# KiCad board Sandy_3in1.kicad_pcb (continued)
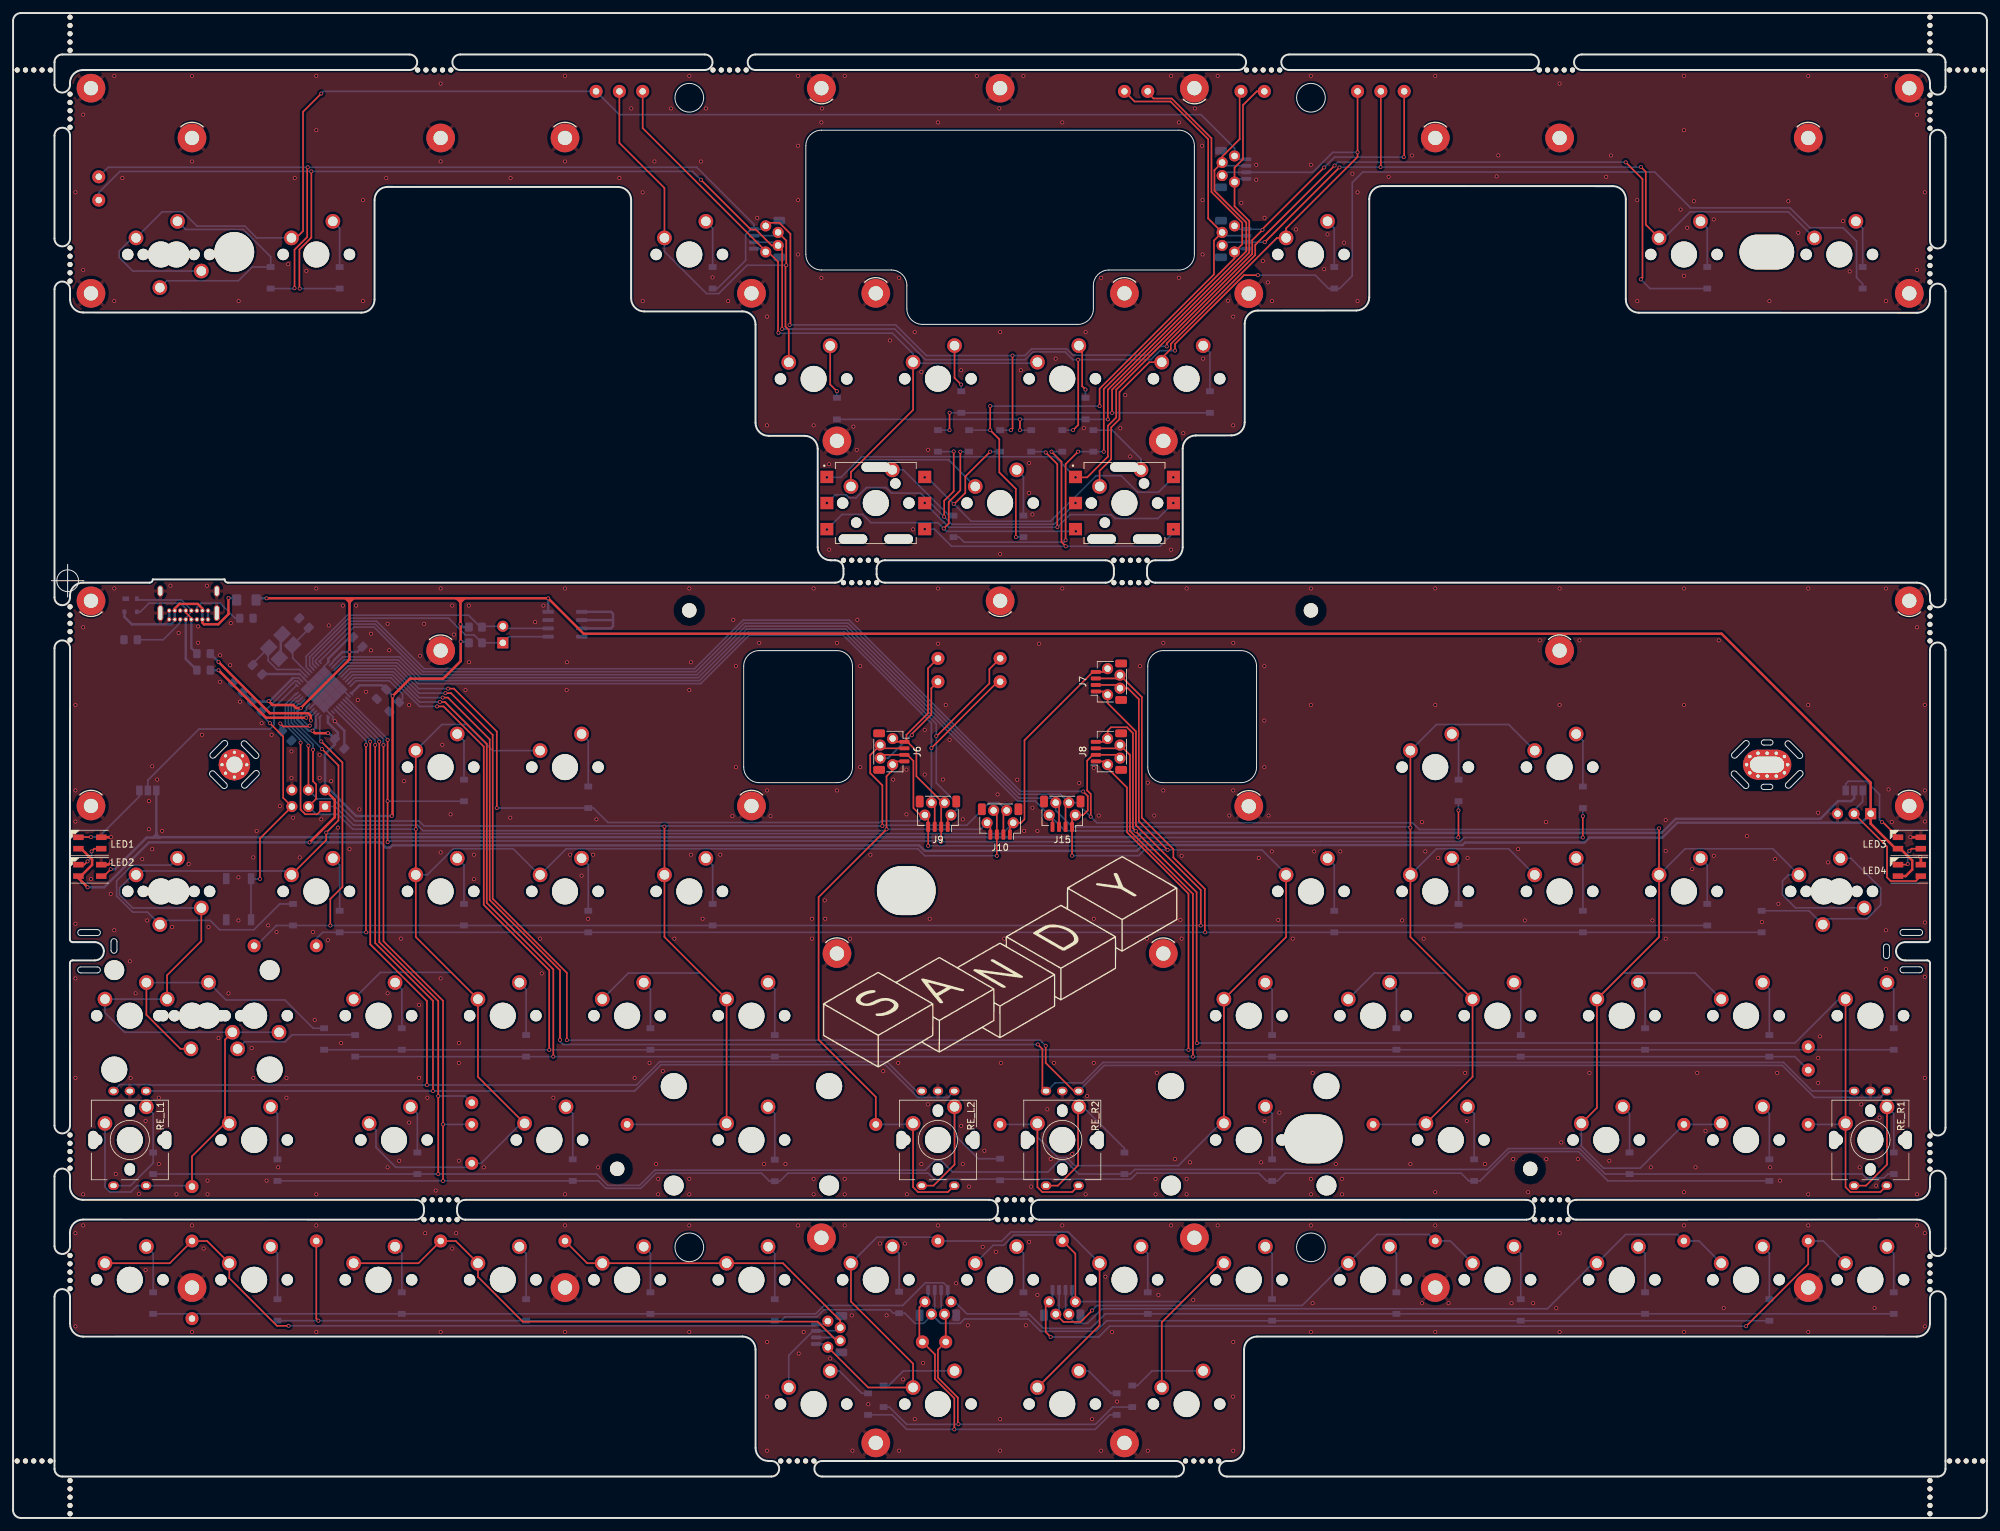
[diagram p0: board, top side]
## Routing (per net, layer and track width the routed paths; a pad name or vN(x,y) marks a point on that pad's centre or on a via; arc(x,y) is an arc through that point) (continued)
Mid_row1: length 348.9
  Top w0.254: v1(152.89,166.74) 153.14,166.99 v1(153.14,178.17) ; v1(45.15,207.03) 45.06,206.95 45.06,196.33 43.13,194.39 v1(43.13,188.5) ; v1(118.98,182.87) 119.11,183 119.11,196.83 117.42,198.53 115.8,198.53 J12.1 ; v1(247.09,207.79) 249.67,205.22 249.67,190.11 v1(249.41,189.86) ; v1(176.77,179.57) 176.77,180.03 190.33,193.59 190.33,195.14 v1(202.49,207.3)
  Bottom w0.254: J12.1 114.82,197.55 J12.1 ; D3.1 107.92,188.45 112.25,192.78 112.25,196.73 113.07,197.55 J12.1 ; D1.1 43.08,188.45 v1(43.13,188.5) ; v1(249.41,189.86) 250.82,188.45 D5.1 ; EXT_MR1.1 14.58,207.03 v1(45.15,207.03) 104.77,207.03 113.52,198.27 J12.1 ; v1(247.09,207.79) 247.06,207.83 203.02,207.83 v1(202.49,207.3) ; D60.1 v1(152.89,166.74) ; v1(176.77,179.57) 175.72,179.57 174.39,178.24 162.35,178.24 161.4,179.19 156.07,179.19 155.05,178.17 v1(153.14,178.17) 139.94,178.17 135.24,182.87 v1(118.98,182.87)
Mid_row2: length 107.8
  Top w0.254: EXT_MR2.1 190.56,218.67 188.45,216.56 188.45,208.27 187.16,206.98 J13.1 187.16,201.06 189.42,198.8 189.42,193.97 168.4,172.95 v1(168.4,169.4) ; v1(143.5,169.41) v1(143.5,166.74)
  Bottom w0.254: J13.1 187.66,205.27 J13.1 ; v1(143.5,166.74) 141.72,166.74 D61.1 ; D12.1 D8.1 143.51,169.4 v1(143.5,169.41)
Mid_row3: length 109.6
  Top w0.254: v1(167.12,163.44) 167.12,173.04 187.16,193.08 J14.1 188.34,195.23 188.34,198.54 183.62,203.26 183.62,211.48 177.53,217.58 174.74,217.58 173.86,218.45 EXT_MR3.1 ; v1(163.18,163.44) 161.28,161.54 v1(161.28,149.85)
  Bottom w0.254: D13.1 144.94,150.35 145.72,149.57 160.99,149.57 v1(161.28,149.85) ; v1(167.12,163.44) 167.12,163.44 D15.1 163.18,163.44 v1(163.18,163.44) ; J14.1 187.66,194.55 J14.1
Mid_row6: length 368.1
  Top w0.254: v1(163.19,177.54) 163.21,177.51 163.21,167.54 v1(162.42,166.74) ; v1(190.74,190.49) 188.59,190.49 178.04,179.94 v1(178.04,178.94) ; v1(117.84,182.24) 117.84,194.43 J12.3 116.24,195.05 113.78,197.51 113.02,197.51 v1(105.4,205.13) ; v1(45.71,206.4) 45.71,196.26 43.88,194.43 43.88,188.5 v1(43.93,188.45)
  Bottom w0.254: v1(117.84,182.24) 135.1,182.24 139.8,177.54 155.06,177.54 156.26,178.73 161.21,178.73 162.41,177.54 v1(163.19,177.54) 174.33,177.54 175.73,178.94 v1(178.04,178.94) ; J12.3 116.72,195.55 J12.3 ; EXT_MR6.1 13.13,203.15 16.38,206.4 v1(45.71,206.4) 104.13,206.4 v1(105.4,205.13) ; D64.1 162.42,166.74 v1(162.42,166.74) ; v1(190.74,190.49) 199.53,190.49 201.58,188.45 D4.1 203.27,188.45 205.2,190.38 205.2,204.7 206.8,206.31 251.54,206.31 257.03,200.81 272.27,200.81 275.32,197.76 280.4,197.76 282.47,195.69 282.47,190.11 283.4,189.18 D6.1 ; D2.1 v1(43.93,188.45)
Mid_row7: length 111.6
  Top w0.254: v1(154.29,168.4) 154.29,168.4 v1(154.29,166.74) ; EXT_MR7.1 187.95,218.47 187.95,211.35 185.26,208.67 J13.3 184.08,206.59 184.08,203.45 188.96,198.56 188.96,194.16 167.75,172.95 v1(167.75,168.4)
  Bottom w0.254: D62.1 v1(154.29,166.74) ; J13.3 185.76,207.27 J13.3 ; v1(167.75,168.4) 167.75,168.39 D9.1 164.33,168.4 v1(154.29,168.4) D7.1
Mid_row8: length 112.2
  Top w0.254: v1(153.66,150.36) 153.66,157.73 151.12,160.27 151.12,165.35 v1(149.72,166.74) v1(149.72,170.43) ; v1(166.48,170.43) 166.48,173.09 184.01,190.62 184.01,195.8 J14.3 183.12,199.19 183.12,211.34 177.34,217.12 171.84,217.12 EXT_MR8.1
  Bottom w0.254: D14.1 154.8,150.36 v1(153.66,150.36) ; J14.3 185.76,196.55 J14.3 ; v1(149.72,166.74) 149.72,166.74 D63.1 ; v1(149.72,170.43) v1(166.48,170.43)
MISO: length 217.6
  Top w0.254: v1(44.05,118.83) 44.05,108.59 44.77,107.87 46.62,107.87 J4.1 ; EXT_C3.1 132.19,64.54 123.43,73.3 123.43,95.15 v1(133.84,105.56) 133.84,113.69 134.77,114.62 J6.4 135.27,115.97 J6.4 ; J10.4 149.74,106.05 J10.4 ; SW_RE_L2.S1 143.24,49.96 138.66,49.96 137.91,50.71 SW_CenterL1u1.1
  Bottom w0.254: U1.11 43.35,126.36 41.72,124.73 41.72,121.55 44.05,119.21 v1(44.05,118.83) ; SW_CenterL1u1.1 137.75,60.32 EXT_C3.1 ; J4.1 49.33,109.05 52.19,106.19 61.97,106.19 62.81,105.35 133.63,105.35 v1(133.84,105.56) 148.25,105.56 J10.4
MOSI: length 236.5
  Top w0.254: J10.2 151.74,107.95 J10.2 ; J6.2 133.37,117.97 J6.2 131.34,116.94 131.34,114.16 133.19,112.31 v1(133.19,106.07) ; v1(99.81,105.97) SW_F1.1 99.81,89.05 SW_V1.1 SW_LSPC2u1.1 ; J4.4 v1(45.26,118.37)
  Bottom w0.254: U1.10 43.53,125.69 43.33,125.69 42.17,124.54 42.17,121.74 45.26,118.65 v1(45.26,118.37) ; J4.4 46.62,110.23 49.01,110.23 52.4,106.83 62.22,106.83 62.98,106.07 99.71,106.07 v1(99.81,105.97) 99.9,106.07 v1(133.19,106.07) 133.31,106.19 146.15,106.19 149.6,109.63 151.06,109.63 J10.2 ; EXT_C2.1 109.17,60.32 SW_LSPC2u1.1 ; SW_C1.1 94.28,83.52 105.34,83.52 SW_V1.1
RE_L1_1: length 321.4
  Top w0.254: J10.1 152.74,106.05 J10.1 154.44,106.55 154.97,107.08 154.97,119.2 165.46,129.68 J7.4 167.21,129.68 J7.4 ; SW_LSFT2u1.1 23.61,83.2 28.85,88.44 SW_CTL1.25u1.1 ; SW_LSFT1.75u1.1 32.48,73.32 32.48,61.13 SW_L2-1u1.1 32.46,60.48 27.42,55.43 EXT_C0.1 ; v1(47.34,117.86) 49.86,115.34 49.86,106.92 v1(47.99,105.05) 47.99,103.91 SW_A1.1
  Bottom w0.254: SW_LSFT1u2.1 SW_LSFT1.75u1.1 17.08,74.45 14.08,77.44 SW_LSFT1u1.1 SW_LSFT2u1.1 ; SW_CAPS1u1.1 14.08,50.71 14.84,49.96 18.04,49.96 19.02,50.94 SW_RE_L1.S1 27.27,50.94 EXT_C0.1 ; SW_A1.1 42.06,99.17 19.44,99.17 SW_CTL1.5u1.1 18.34,98.58 16.32,96.56 16.32,95.52 18.34,93.5 SW_CTL1.25u1.1 ; v1(47.34,117.86) 43.09,122.12 43.09,124.16 43.7,124.78 44.03,124.78 U1.8 ; v1(47.99,105.05) 48.16,104.89 151.58,104.89 J10.1
RE_L1_2: length 16.6
  Bottom w0.254: SW_RE_L1.S2 18,50.94 21.46,54.4 D59.2 21.46,61.99 SW_CAPS1u1.2
RE_L2_2: length 28
  Top w0.254: SW_CenterL1u1.2 144.26,54.16 141.03,50.94 SW_RE_L2.S2
  Bottom w0.254: SW_CenterL1u1.2 144.26,58.71 147.9,55.07 D22.2
RE_L_A: length 193
  Top w0.254: v1(55.48,118.48) 55.48,88.13 64.34,79.28 v1(64.34,65.44)
  Bottom w0.254: U1.39 55.48,119.17 v1(55.48,118.48) ; SW_RE_L1.A v1(64.34,65.44) 95.24,65.44 99.28,69.48 133.64,69.48 138.66,64.46 143.24,64.46 SW_RE_L2.A
RE_L_B: length 191.2
  Top w0.254: v1(63.41,66.36) 63.41,79.25 54.73,87.92 54.73,118.98 v1(54.72,118.99)
  Bottom w0.254: v1(54.72,118.99) 54.72,119.25 49.73,124.24 U1.40 ; SW_RE_L2.B 138.41,65.44 133.91,69.94 99.09,69.94 95.52,66.36 21,66.36 20.95,66.42 16.37,66.42 SW_RE_L1.B
RE_R1_1: length 345.9
  Top w0.254: SW_Fn1u1.1 SW_RIGHT1.1 280.78,50.71 281.54,49.96 286.11,49.96 SW_RE_R1.S1 ; J15.4 159.27,107.24 J15.4 ; J8.4 167.21,118.97 J8.4 167.71,120.67 168.24,121.2 170.68,121.2 171.59,120.29 171.59,105.74 v1(172.02,105.31) 172.02,105.24 181.35,95.91 181.35,72.86 v1(181.41,72.8)
  Bottom w0.254: EXT_C7.1 280.62,60.32 SW_RIGHT1.1 ; U1.25 50.52,131.98 59.23,131.98 62.41,128.8 104.99,128.8 112.43,136.24 127.57,136.24 153.93,109.88 156.63,109.88 J15.4 161.2,105.31 v1(172.02,105.31) ; SW_Fn1u1.1 279.77,79.53 273.04,72.8 v1(181.41,72.8)
RE_R1_2: length 22.7
  Top w0.254: SW_RE_R1.S2 283.91,50.94 287.13,54.16 SW_RIGHT1.2
  Bottom w0.254: D51.2 288.16,61.99 SW_RIGHT1.2
RE_R2_1: length 317.7
  Top w0.254: J7.2 169.11,127.68 J7.2 170.81,127.18 172.5,125.49 172.5,106.8 v1(176.9,102.4) ; SW_J1.1 195.06,89.05 SW_N1.1 SW_RSPC2u1.1 ; v1(163.97,111.35) 164.67,110.65 164.67,108.44 163.97,107.74 J15.1 162.27,107.24 J15.1 v1(162.27,101.51) ; SW_CenterR1u1.1 156.96,50.71 157.71,49.96 162.29,49.96 SW_RE_R2.S1
  Bottom w0.254: EXT_C4.1 156.8,60.32 SW_CenterR1u1.1 156.96,58.39 160.13,55.22 161.44,55.22 162.66,54 178.55,54 185.03,60.48 SW_RSPC2u1.1 ; SW_J1.1 195.06,98.7 191.37,102.4 v1(176.9,102.4) 173.35,102.4 172.47,101.51 v1(162.27,101.51) ; v1(163.97,111.35) 163.94,111.38 154.37,111.38 128.14,137.61 111.86,137.61 104.42,130.17 62.98,130.17 55.68,137.46 51.6,137.46 45.9,131.76 45.9,130.87 U1.20
RE_R2_2: length 25.5
  Top w0.254: SW_RE_R2.S2 160.08,50.94 163.18,54.04 163.18,62.89 SW_CenterR1u1.2
  Bottom w0.254: SW_CenterR1u1.2 163.94,63.02 170.29,56.67 D40.2
RE_R_A: length 290.3
  Top w0.254: v1(84.86,73.24) 84.86,83.54 73.49,94.91 73.49,120.03 67.09,126.43 v1(66.25,126.43) ; SW_RE_R2.A 162.54,65.44 158.23,69.75 v1(158.23,72.38)
  Bottom w0.254: v1(158.23,72.38) 157.37,73.24 v1(84.86,73.24) ; U1.29 51.52,130.15 58.47,130.15 62.19,126.43 v1(66.25,126.43) ; SW_RE_R1.A 286.11,64.46 275.99,64.46 271.08,69.37 167.2,69.37 SW_RE_R2.A
RE_R_B: length 286.3
  Top w0.254: v1(83.81,73.27) 83.81,83.95 73.03,94.72 73.03,119.34 66.63,125.74 v1(65.83,125.74) ; v1(157.02,72.57) 157.72,71.87 157.72,65.99 SW_RE_R2.B
  Bottom w0.254: SW_RE_R2.B 158.42,65.44 159.68,66.7 163.88,66.7 167.01,69.82 271.27,69.82 275.66,65.44 SW_RE_R1.B ; U1.30 51.77,129.69 58.28,129.69 62.23,125.74 v1(65.83,125.74) ; v1(157.02,72.57) 84.26,72.57 83.81,73.03 v1(83.81,73.27)
RESET: length 45.2
  Top w0.254: v1(39.36,121.82) 41.39,119.79 41.39,110.38 J4.5 37.83,104.16 v1(37.83,97.94)
  Bottom w0.254: ResetSW1.2 ResetSW1.2 36.52,97.94 v1(37.83,97.94) ; v1(39.36,121.82) 38.09,123.09 R5.2 38.59,123.69 43.19,128.3 43.53,128.3 U1.13
row0: length 136.5
  Top w0.254: v1(141.46,119.85) 141.53,119.85 149.59,127.91 149.59,130.11 EXT_R0.1 ; J9.1 143.22,107.24 J9.1
  Bottom w0.254: U1.26 50.77,131.52 59.04,131.52 62.22,128.34 66.82,128.34 105.18,128.34 112.62,135.78 127.38,135.78 141.46,121.7 141.46,112.67 144.57,109.57 144.57,108.59 J9.1
row1: length 241.8
  Top w0.254: J6.1 137.03,118.97 138.42,117.58 138.42,113.69 142.46,109.64 J9.2 142.22,109.14 J9.2 142.22,103.89 142.23,103.88 v1(142.23,103.66) ; J6.1 135.27,118.97 J6.1 ; J6.1 136.89,119.29 136.89,120.04 140.19,123.34 140.19,130.23 EXT_R1.1 ; v1(57.39,119.25) v1(57.39,109.88) v1(57.39,103.6) ; v1(221.47,108.45) 221.47,104.34 v1(221.45,104.32)
  Bottom w0.254: D24.1 221.47,109.85 v1(221.47,108.45) ; U1.36 51.12,125.65 57.39,119.39 v1(57.39,119.25) ; v1(57.39,109.88) 57.4,109.87 D28.1 ; v1(221.45,104.32) 221.43,104.29 172.85,104.29 172.22,103.66 v1(142.23,103.66) 142.11,103.77 57.56,103.77 v1(57.39,103.6)
row2: length 301.4
  Top w0.254: v1(48.61,90.82) 48.61,94.87 50.47,96.73 50.47,115.79 v1(47.23,119.02) ; v1(181.98,90.82) 181.98,96.26 172.05,106.2 172.05,120.56 167.71,124.9 J7.1 167.21,126.68 J7.1
  Bottom w0.254: EXT_R2.1 37.24,87.7 40.36,90.82 D39.1 D38.1 D87.1 v1(181.98,90.82) D34.1 D44.1 ; v1(47.23,119.02) 47.02,119.23 U1.1
row3: length 367.4
  Top w0.254: v1(180.1,71.75) 180.1,95.69 170.67,105.12 170.67,111.96 167.71,114.92 J8.1 167.21,115.97 J8.1 ; v1(82.15,71.75) 82.15,83.94 72.12,93.97 72.12,118.23 65.96,124.39 v1(64.97,124.39)
  Bottom w0.254: U1.32 52.27,128.78 57.91,128.78 62.3,124.39 v1(64.97,124.39) ; D49.1 D48.1 59.58,71.75 v1(82.15,71.75) 97.65,71.75 D97.1 97.68,71.75 211.95,71.75 D43.1 D93.1 D91.1
row4: length 358.9
  Top w0.254: v1(56.12,118.99) 56.12,88.26 65.15,79.22 v1(65.15,64.67) v1(65.15,52.72)
  Bottom w0.254: D51.1 287.24,52.72 286.64,52.11 283.94,52.11 283.34,52.72 D92.1 243.96,52.72 240.06,56.62 229.09,56.62 225.9,53.42 171.87,53.42 171.17,52.72 D40.1 163.3,52.72 161.25,54.76 160.28,54.76 158.55,53.04 143.95,53.04 142.22,54.76 141.23,54.76 139.77,53.31 98.34,53.31 96.02,50.99 91.14,50.99 89.41,52.72 v1(65.15,52.72) D98.1 D59.1 ; EXT_R4.1 69.26,64.67 v1(65.15,64.67) ; v1(56.12,118.99) 56.12,119.25 50.42,124.94 U1.38
row5: length 132.4
  Top w0.254: EXT_R5.1 150.88,128.18 140.72,118.02 v1(140.72,118.01) ; J9.3 141.22,109.14 J9.3
  Bottom w0.254: U1.27 51.02,131.07 58.85,131.07 62.03,127.89 105.37,127.89 112.81,135.33 127.19,135.33 140.72,121.8 v1(140.72,118.01) J9.3
row6: length 249
  Top w0.254: J6.3 133.37,116.97 J6.3 137.03,116.97 137.96,116.04 137.96,108.81 139.03,107.74 J9.4 140.22,107.24 J9.4 v1(140.22,103.03) ; v1(240.52,107.56) v1(240.52,104.3) ; EXT_R6.1 140.7,127.17 140.7,123.15 137.72,120.17 v1(137.72,119.98) ; v1(66.66,127.12) 67.55,127.12 74.12,120.55 v1(74.12,108.81)
  Bottom w0.254: v1(240.52,104.3) 222.37,104.3 221.76,103.69 200.33,103.69 200.31,103.67 172.87,103.67 172.23,103.03 v1(140.22,103.03) ; v1(240.52,107.56) 240.52,108.8 D74.1 ; J9.4 138.81,106.83 133.07,106.83 132.84,106.6 91.14,106.6 88.93,108.82 D27.1 74.12,108.82 v1(74.12,108.81) ; J6.3 134.08,116.47 137.59,119.98 v1(137.72,119.98) ; v1(66.66,127.12) 62.15,127.12 58.66,130.61 51.27,130.61 U1.28
row7: length 307.8
  Top w0.254: v1(182.66,89.77) 182.61,89.81 182.61,96.42 177.79,101.24 177.79,102.51 172.96,107.34 172.96,125.84 J7.3 169.11,128.68 J7.3 ; v1(54.1,89.77) 54.07,89.8 54.07,118.47 v1(54.09,118.48)
  Bottom w0.254: v1(54.09,118.48) 54.09,119.15 U1.41 ; EXT_R7.1 46.47,88.8 47.43,89.77 D79.1 D37.1 D35.1 D84.1 D32.1
row8: length 358.2
  Top w0.254: v1(180.78,70.72) 180.78,95.65 171.13,105.3 171.13,116.95 J8.3 169.11,117.97 J8.3 ; v1(82.77,70.72) 82.78,70.73 82.78,84.08 72.58,94.29 72.58,118.66 66.17,125.07 v1(65.4,125.07)
  Bottom w0.254: D89.1 D47.1 v1(82.77,70.72) D46.1 D45.1 D94.1 D41.1 273,70.72 EXT_R8.1 ; v1(65.4,125.07) 62.26,125.07 58.09,129.24 52.02,129.24 U1.31
row9: length 321.3
  Top w0.254: v1(65.88,51.67) v1(65.88,60.33) 65.88,79.27 56.75,88.4 v1(56.75,118.48)
  Bottom w0.254: v1(65.88,60.33) 65.9,60.32 EXT_R9.1 ; D11.1 v1(65.88,51.67) D57.1 89.7,51.67 90.83,50.53 96.21,50.53 98.53,52.85 114.67,52.85 115.91,51.62 D56.1 117.49,51.62 118.73,52.85 140.21,52.85 141.12,51.94 171.29,51.94 172.2,52.85 190.87,52.85 192.05,51.67 D96.1 193.74,51.67 194.93,52.85 221.86,52.85 223.05,51.67 D53.1 224.79,51.67 229.28,56.16 239.87,56.16 244.36,51.67 D52.1 ; v1(56.75,118.48) 56.75,119.38 50.83,125.3 U1.37
SCK: length 278.8
  Top w0.254: v1(150.73,101.5) 150.74,101.51 J10.3 150.74,107.95 J10.3 ; J4.3 46.44,110.23 46.44,112.45 45.96,112.93 v1(45.96,117.75) ; SW_W1.1 SW_S1.1 61.71,89.05 SW_X1.1 71.23,67.62 SW_LALT1.25u1.1
  Bottom w0.254: SW_E1.1 73.48,117.63 69.49,121.62 65.7,121.62 SW_W1.1 ; SW_X1.1 67.14,83.62 56.28,83.62 SW_Z1.1 ; J4.3 46.46,107.85 49.77,107.85 52.06,105.56 v1(61.71,105.56) ; v1(150.73,101.5) 139.71,101.5 138.64,102.57 84.75,102.57 SW_D1.1 80.63,98.58 76.63,102.57 67.45,102.57 63.46,98.58 SW_S1.1 ; SW_LWIN1.25u1.1 55.61,59.43 55.61,56.79 58.66,53.75 69.66,53.75 EXT_C1.1 71.72,54.37 77.84,60.48 SW_LALT1.25u1.1 ; v1(45.96,117.75) 45.96,118.6 42.63,121.93 42.63,124.35 43.51,125.23 43.78,125.23 U1.9
SCL: length 43.2
  Bottom w0.254: U1.18 44.92,130.44 44.92,132.07 51.22,138.38 69.79,138.38 71.61,136.55 R9.2 71.98,136.68 J3.2 75.37,136.35 U2.6
SDA: length 43
  Bottom w0.254: U2.5 75.99,135.08 J3.1 R8.2 70.64,135.34 69.31,135.34 66.73,137.92 51.41,137.92 45.44,131.95 45.44,130.68 45.96,130.16 U1.19
Top_col0: length 119.2
  Top w0.254: v1(42.22,29.45) 40.44,29.45 33.13,36.76 SW_1.1 29.73,42.45 EXT_TC0.1 24.01,39.05 SW_ESC1.1
  Bottom w0.254: J24.1 124.35,29.67 J24.1 122.83,29.45 v1(42.22,29.45)
Top_col1: length 87.4
  Top w0.254: SW_2.1 62.11,39.05 EXT_TC1.1 67.83,42.45 SW_3.1 71.23,36.96 78.1,30.09 123.26,30.09 126.18,27.17 J24.3
  Bottom w0.254: J24.3 126.25,27.67 J24.3
Top_col2: length 62.9
  Top w0.254: J24.2 126.75,30.27 117.97,39.05 SW_5.1 SW_4.1 87.97,39.05 EXT_TC2.1
  Bottom w0.254: J24.2 126.25,28.67 J24.2 122.59,28.67 118.86,24.93 SW_T1.1
Top_col3: length 106.2
  Top w0.254: SW_]1.1 166.48,29.52 SW_6.1 ; J24.4 131.02,20 SW_[1.1 137.91,23.65 128.38,33.17 SW_`1.1
  Bottom w0.254: SW_`1.1 132.38,43.04 141.13,43.04 EXT_TC3.1 151.5,42.45 152.89,43.84 161.69,43.84 SW_6.1 ; J24.4 124.35,26.67 J24.4
Top_col4: length 76.2
  Top w0.254: SW_Y1.1 176.01,30 183.01,37 183.01,37.02 185.03,39.05 SW_7.1 ; J25.1 162.77,40.51 EXT_TC4.1
  Bottom w0.254: J25.1 162.27,33.63 J25.1 162.81,33.17 179.16,33.17 185.03,39.05 SW_7.1 ; SW_\1.1 150.19,41.81 151.79,41.81 153.36,43.38 159.89,43.38 EXT_TC4.1
Top_col5: length 75.6
  Top w0.254: v1(165.34,31.81) 163.59,30.05 160.95,30.05 J25.3
  Bottom w0.254: SW_9.1 220.22,42.46 EXT_TC5.1 216.92,43.46 209,43.46 SW_8.1 204,39.05 197.53,32.57 166.1,32.57 v1(165.34,31.81) ; J25.3 160.27,31.73 J25.3
Top_col6: length 112.2
  Bottom w0.254: J25.2 161.27,31.73 J25.2 161.77,30.81 162.75,29.83 164.63,29.83 166.87,32.06 235.1,32.06 242.08,39.05 SW_10.1 247.1,43.46 255.02,43.46 EXT_TC6.1 258.32,42.46 SW_-1.1
Top_col7: length 139.3
  Top w0.254: v1(265.54,29.39) 275.07,38.92 EXT_TC7.1 ; v1(158.99,27.74) 158.23,28.51 158.23,32.59 J25.4
  Bottom w0.254: EXT_TC7.1 277.38,42.45 SW_=1.1 ; J25.4 159.27,33.63 J25.4 ; v1(158.99,27.74) 166.36,27.74 168.01,29.39 v1(265.54,29.39)
Top_GND:
  vias: v1(9.56,43.65) v1(9.56,29.36) v1(10.75,44.84) v1(20.31,38) v1(27.42,44.84) v1(27.42,28.51) v1(29.2,41.3) v1(46.47,44.84) v1(46.47,28.51) v1(63.14,43.65) v1(65.52,28.51) v1(67.3,41.3) v1(67.9,43.65) v1(84.57,44.84) v1(84.57,28.51) v1(103.62,44.84) v1(103.62,28.51) v1(115.52,26.98) v1(115.56,18.6) v1(115.52,10.31) v1(120.29,44.84) v1(120.38,25.2) v1(121.14,28.51) v1(125.21,24.44) v1(127.43,44.84) v1(128.51,31.05) v1(128.62,10.31) v1(131.05,17.42) v1(132.83,42.06) v1(133.84,31.05) v1(135.76,10.31) v1(136.38,21.23) v1(136.64,42.06) v1(138.16,15.14) v1(139.43,23.77) v1(141.72,44.84) v1(144.51,35.97) v1(146.29,29.52) v1(148.58,41.55) v1(150.61,40.79) v1(151.24,15.14) v1(151.24,10.31) v1(155.18,29.52) v1(155.69,42.32) v1(156.96,34.19) v1(160.77,44.84) v1(165.34,15.14) v1(166.72,10.31) v1(167.37,36.98) v1(168.39,28.51) v1(169.15,17.84) v1(173.86,10.31) v1(175.5,34.19) v1(177.44,44.84) v1(180.83,33.43) v1(184.58,44.84) v1(186.93,18.6) v1(186.96,26.98) v1(186.96,10.31) v1(198.87,44.84) v1(198.87,28.51) v1(199.12,32.92) v1(215.89,32.92) v1(217.92,44.84) v1(217.92,28.51) v1(219.95,32.92) v1(229.6,32.92) v1(232.9,32.92) v1(236.46,32.16) v1(236.97,43.65) v1(236.97,28.51) v1(256.02,44.84) v1(256.02,28.51) v1(262.11,32.16) v1(275.07,44.84) v1(275.07,28.51) v1(285.23,32.16) v1(291.74,44.84) v1(292.93,43.65) v1(292.93,29.36)
Top_row0: length 274.1
  Bottom w0.254: D16.1 26.69,31.28 EXT_TR0.1 28.15,31.28 D18.1 D20.1 122.97,31.28 124.25,32.57 136.32,32.57 139.79,36.04 142.57,36.04 143.22,35.39 J23.1 143.22,33.63 J23.1 144.3,33.13 146.15,31.28 D26.1 155.67,31.28 157.89,29.06 165.14,29.06 167.36,31.28 D23.1 D30.1 D33.1 D42.1
Top_row1: length 62.9
  Top w0.254: J23.2 142.91,31.04 EXT_TR1.1 141.72,25.79 141.72,21.49 144.77,18.44 144.77,14.47 v1(144.85,14.38)
  Bottom w0.254: D58.1 168.5,17 165.85,14.34 136.92,14.34 134.27,17 D54.1 ; J23.2 142.22,31.73 J23.2
Top_row5: length 249.4
  Top w0.254: v1(46.79,30.23) 46.47,30.55 EXT_TR5.1
  Bottom w0.254: J23.3 140.72,31.04 139.51,29.83 138.2,29.83 136.65,31.38 D25.1 134.87,31.38 134.35,31.9 124.23,31.9 123.16,30.83 118.29,30.83 117.69,30.23 D21.1 78.62,30.23 D19.1 v1(46.79,30.23) D17.1 ; J23.3 141.22,31.73 J23.3 ; J23.3 142.12,29.83 145.11,29.83 145.78,30.5 155.56,30.5 157.46,28.61 165.95,28.61 167.57,30.23 D29.1 D31.1 269.11,30.23 D36.1
Top_row6: length 64.1
  Top w0.254: J23.4 138.87,32.28 138.87,27.45 EXT_TR6.1 141.26,25.06 141.26,21.3 144.23,18.33 v1(144.23,13.58)
  Bottom w0.254: D55.1 168.04,15.81 165.82,13.58 v1(144.23,13.58) 136.92,13.58 134.7,15.81 D50.1 ; J23.4 140.22,33.63 J23.4
Net-(C2-Pad1): length 9.1
  Bottom w0.254: C2.1 45.3,136.27 Y1.1 42.84,131.81 U1.17
Net-(C3-Pad1): length 12.5
  Bottom w0.254: C3.1 36.71,130.93 Y1.3 39.08,133.3 39.08,131.4 40.44,130.05 43.89,130.05 U1.16
Net-(C6-Pad1): length 10.3
  Top w0.254: v1(40.95,121.77) 41.41,121.31 45.33,121.31 v1(45.47,121.45)
  Bottom w0.254: C6.1 40.95,120.85 v1(40.95,121.77) ; v1(45.47,121.45) 45.22,121.45 44.15,122.52 44.15,123.06 44.94,123.85 44.94,124.22 45.25,124.53 U1.6
Net-(D1-Pad2): length 36.4
  Bottom w0.254: SW_TAB1.25u1.2 23.54,189.64 34.53,189.64 36.64,191.75 D1.2 39.47,193.32 35.28,197.51 26.43,197.51 SW_TAB1.5u1.2
Net-(D2-Pad2): length 7.4
  Bottom w0.254: D2.2 50.04,197.72 SW_Q1.2
Net-(D3-Pad2): length 7.4
  Bottom w0.254: D3.2 107.19,197.72 SW_R1.2
Net-(D4-Pad2): length 7.4
  Bottom w0.254: SW_U1.2 202.44,197.72 D4.2
Net-(D5-Pad2): length 7.4
  Bottom w0.254: D5.2 259.59,197.72 SW_P1.2
Net-(D6-Pad2): length 7.4
  Bottom w0.254: D6.2 283.4,197.72 SW_BS1.5u1.2
Net-(D7-Pad2): length 8.4
  Top w0.254: v1(126.22,172.71) 125.21,173.73 SW_G1.2
  Bottom w0.254: D7.2 126.22,171.71 v1(126.22,172.71)
Net-(D8-Pad2): length 7.4
  Top w0.254: SW_;2.2 144.26,174.75 v1(145.27,173.73)
  Bottom w0.254: v1(145.27,173.73) 145.27,172.71 D8.2
Net-(D9-Pad2): length 8.4
  Top w0.254: SW_'1.2 163.82,179.19 163.82,173.48 v1(164.32,172.97)
  Bottom w0.254: v1(164.32,172.97) 164.32,171.71 D9.2
Net-(D10-Pad2): length 19.4
  Bottom w0.254: J1.A6 26.47,137.98 27.32,138.83 J1.B6 27.32,139.18 25.79,140.71 19.16,140.71 D10.2
  Bottom w0.381: R3.2 28.17,129.96 26.47,131.66 J1.A6
Net-(D10-Pad3): length 16
  Top w0.254: J1.B7 26.47,138.78 27.32,137.93 J1.A7
  Bottom w0.254: D10.3 19.51,138.9 20.84,140.23 25.62,140.23 26.47,139.39 J1.B7
  Bottom w0.381: J1.A7 27.32,133.34 R4.2
Net-(D11-Pad2): length 8.5
  Bottom w0.254: D11.2 40.51,61.99 SW_L2-1u1.2
Net-(D12-Pad2): length 7.4
  Bottom w0.254: D12.2 183.39,178.67 SW_H1.2
Net-(D13-Pad2): length 12.3
  Bottom w0.254: D13.2 143.42,153.65 136.41,160.65 SW_R4CenterL1.2
Net-(D14-Pad2): length 7.4
  Bottom w0.254: SW_R4CenterC1.2 154.81,159.62 D14.2
Net-(D15-Pad2): length 9.9
  Bottom w0.254: 172.83,161.59 172.83,162.33 168.42,166.74 D15.2
Net-(D16-Pad2): length 7.4
  Bottom w0.254: SW_ESC1.2 21.46,40.55 D16.2
Net-(D17-Pad2): length 8.5
  Bottom w0.254: D17.2 40.51,40.55 SW_1.2
Net-(D18-Pad2): length 7.4
  Bottom w0.254: D18.2 59.56,40.55 SW_2.2
Net-(D19-Pad2): length 8.5
  Bottom w0.254: D19.2 78.61,40.55 SW_3.2
Net-(D20-Pad2): length 7.4
  Bottom w0.254: SW_4.2 97.66,40.55 D20.2
Net-(D21-Pad2): length 8.5
  Bottom w0.254: SW_5.2 116.71,40.55 D21.2
Net-(D23-Pad2): length 7.4
  Bottom w0.254: SW_6.2 173.86,40.55 D23.2
Net-(D24-Pad2): length 7.4
  Bottom w0.254: SW_I1.2 221.49,119.14 D24.2
Net-(D25-Pad2): length 7.3
  Bottom w0.254: SW_`1.2 135.76,40.55 D25.2
Net-(D26-Pad2): length 7.4
  Bottom w0.254: D26.2 154.81,40.55 SW_\1.2
Net-(D27-Pad2): length 8.5
  Bottom w0.254: SW_E1.2 88.14,119.14 D27.2
Net-(D28-Pad2): length 7.4
  Bottom w0.254: D28.2 69.09,119.14 SW_W1.2
Net-(D29-Pad2): length 8.5
  Bottom w0.254: SW_7.2 192.91,40.55 D29.2
Net-(D30-Pad2): length 7.4
  Bottom w0.254: SW_8.2 211.96,40.55 D30.2
Net-(D31-Pad2): length 8.5
  Bottom w0.254: SW_9.2 231.01,40.55 D31.2
Net-(D32-Pad2): length 31
  Bottom w0.254: D32.2 275.18,93.07 SW_ENT1.5u1.2 278.18,91.85 284.05,91.85 286.16,93.96 286.16,96.56 281.6,101.12 SW_ENT1.25u1.2
Net-(D33-Pad2): length 7.4
  Bottom w0.254: SW_10.2 250.06,40.55 D33.2
Net-(D34-Pad2): length 7.4
  Bottom w0.254: D34.2 221.49,100.09 SW_K1.2
Net-(D35-Pad2): length 8.5
  Bottom w0.254: D35.2 202.44,100.09 SW_J1.2
Net-(D36-Pad2): length 8.5
  Bottom w0.254: D36.2 269.11,40.55 SW_-1.2
Net-(D37-Pad2): length 8.5
  Bottom w0.254: D37.2 88.14,100.09 SW_D1.2
Net-(D38-Pad2): length 7.4
  Bottom w0.254: SW_S1.2 69.09,100.09 D38.2
Net-(D39-Pad2): length 44.4
  Bottom w0.254: SW_CTL1.5u1.2 24.15,100.07 18.28,100.07 15.87,97.66 15.87,95.33 18.33,92.86 20.59,92.86 SW_CTL1.25u1.2 23.13,91.59 30.21,91.59 31.64,90.16 36.91,90.16 40.86,94.12 D39.2
Net-(D41-Pad2): length 8.5
  Bottom w0.254: SW_UP1.2 269.11,81.04 D41.2
Net-(D42-Pad2): length 7.4
  Bottom w0.254: D42.2 288.16,40.55 SW_=1.2
Net-(D43-Pad2): length 7.4
  Bottom w0.254: SW_M1.2 211.96,81.04 D43.2
Net-(D44-Pad2): length 7.4
  Bottom w0.254: D44.2 259.59,100.09 SW_;1.2
Net-(D45-Pad2): length 8.5
  Bottom w0.254: SW_N1.2 192.91,81.04 D45.2
Net-(D46-Pad2): length 8.5
  Bottom w0.254: D46.2 116.71,81.04 SW_V1.2
Net-(D47-Pad2): length 8.5
  Bottom w0.254: SW_X1.2 78.61,81.04 D47.2
Net-(D48-Pad2): length 7.4
  Bottom w0.254: D48.2 59.56,81.04 SW_Z1.2
Net-(D49-Pad2): length 44.1
  Top w0.254: SW_LSFT1.75u1.2 25.65,71.91 20.43,77.12 SW_LSFT1u1.2
  Bottom w0.254: SW_LSFT1u1.2 SW_LSFT2u1.2 32.62,79.4 41.64,79.4 45.98,75.07 D49.2
Net-(D50-Pad2): length 7.2
  Bottom w0.254: D50.2 130.03,19.11 126.6,22.54 SW_T1.2
Net-(D52-Pad2): length 8.5
  Bottom w0.254: D52.2 269.11,61.99 SW_DOWN1.2
Net-(D53-Pad2): length 8.5
  Bottom w0.254: SW_RALT1.25u1.2 223.87,61.99 D53.2
Net-(D54-Pad2): length 11.8
  Bottom w0.254: D54.2 134.18,20.3 136.41,22.54 SW_[1.2
Net-(D55-Pad2): length 7.2
  Bottom w0.254: SW_]1.2 164.8,22.54 168.23,19.11 D55.2
Net-(D56-Pad2): length 8.5
  Bottom w0.254: SW_LSPC2u1.2 116.71,61.99 D56.2
Net-(D57-Pad2): length 8.5
  Bottom w0.254: D57.2 85.76,61.99 SW_LALT1.25u1.2
Net-(D58-Pad2): length 11.8
  Bottom w0.254: SW_Y1.2 174.51,22.54 172.28,20.3 D58.2
Net-(D60-Pad2): length 57.5
  Top w0.254: v1(144.13,155.44) 144.23,155.44 145.91,157.12 145.91,159.63 v1(149.72,163.44)
  Bottom w0.254: v1(149.72,163.44) 149.72,163.44 151.09,163.44 ; v1(177.79,159.51) 175.5,157.22 172.32,157.22 169.78,159.76 165.96,159.76 158.97,152.77 146.8,152.77 v1(144.13,155.44) 140.07,159.51 v1(139.69,159.51)
Net-(D61-Pad2): length 56.2
  Top w0.254: v1(144.13,163.47) 144.13,157.38 142.67,155.92 v1(142.67,153.47)
  Bottom w0.254: v1(162.79,155.57) 159.54,152.32 143.82,152.32 139.05,157.09 134.61,157.09 133.76,157.94 130.75,157.94 129.18,156.36 128.09,156.36 127.63,156.82 125.95,156.82 v1(124.7,155.57) ; D61.2 144.1,163.44 v1(144.13,163.47)
Net-(D62-Pad2): length 56.1
  Top w0.254: v1(158.23,163.32) 160.01,161.54 160.01,151.87 v1(160.02,151.86)
  Bottom w0.254: v1(139.68,155.57) 143.39,151.86 v1(160.02,151.86) 161.95,153.79 168.26,153.79 168.85,153.2 175.41,153.2 v1(177.79,155.57) ; v1(158.23,163.32) 158.1,163.44 D62.2
Net-(D63-Pad2): length 54.3
  Top w0.254: v1(142.61,151.66) 143.37,152.43 143.37,155.73 145.15,157.51 v1(145.15,163.44)
  Bottom w0.254: v1(124.7,151.5) 127.02,153.82 130.18,153.82 131.45,152.55 141.72,152.55 143.04,151.23 v1(162.85,151.23) ; D63.2 145.15,163.44 v1(145.15,163.44)
Net-(D64-Pad2): length 57.6
  Top w0.254: v1(159.12,163.44) 160.65,161.91 160.65,149.59 161.3,148.94 v1(161.3,148.94)
  Bottom w0.254: v1(177.79,151.5) 177.79,151 175.72,148.94 v1(161.3,148.94) 143.8,148.94 141.18,151.57 v1(139.69,151.57) ; D64.2 159.12,163.44 v1(159.12,163.44)
Net-(D74-Pad2): length 8.5
  Bottom w0.254: D74.2 240.54,119.14 SW_O1.2
Net-(D79-Pad2): length 8.5
  Bottom w0.254: SW_A1.2 50.04,100.09 D79.2
Net-(D84-Pad2): length 8.5
  Bottom w0.254: D84.2 240.54,100.09 SW_L1.2
Net-(D87-Pad2): length 7.4
  Bottom w0.254: SW_F1.2 107.19,100.09 D87.2
Net-(D89-Pad2): length 18.9
  Bottom w0.254: D89.2 52.37,74.07 42.78,74.07 41.71,72.99 35.49,72.99 SW_LSFT1u2.2
Net-(D91-Pad2): length 7.4
  Bottom w0.254: D91.2 288.16,81.04 SW_Fn1u1.2
Net-(D92-Pad2): length 7.4
  Bottom w0.254: SW_ROPT1.25u1.2 247.68,61.99 D92.2
Net-(D93-Pad2): length 7.4
  Bottom w0.254: D93.2 250.06,81.04 SW_>1.2
Net-(D94-Pad2): length 8.5
  Bottom w0.254: D94.2 231.01,81.04 SW_<1.2
Net-(D96-Pad2): length 8.5
  Bottom w0.254: D96.2 192.91,61.99 SW_RSPC2u1.2
Net-(D97-Pad2): length 7.4
  Bottom w0.254: D97.2 97.66,81.04 SW_C1.2
Net-(D98-Pad2): length 7.4
  Bottom w0.254: SW_LWIN1.25u1.2 61.95,61.99 D98.2
Net-(J1-PadA5): length 7.9
  Bottom w0.254: J1.A5 25.62,137.23 23,134.61 19.3,134.61
Net-(J1-PadB5): length 8.3
  Bottom w0.254: J1.B5 28.17,139.57 28.83,140.23 31.7,140.23 34.02,137.92 R1.2
Net-(J2-Pad2): length 21.7
  Top w0.254: J2.2 287.13,102.9 287.13,98.19 287.69,97.63 291.56,97.63 LED4.1
  Bottom w0.254: J2.2 282.09,108.49 283.4,109.8 JP_LED2.3
Net-(JP_LED1-Pad1): length 12.8
  Top w0.254: v1(11.94,104.37) 10.05,104.37 LED1.3
  Bottom w0.254: v1(11.94,104.37) 13.13,104.37 19.35,110.6 JP_LED1.1
Net-(JP_LED1-Pad3): length 283.8
  Top w0.254: LED2.1 13.92,98.39 v1(14.97,99.44)
  Bottom w0.381: 21.95,105.06 21.95,104.8 22.47,104.29 ; 21.95,105.06 21.95,104.55 22.21,104.29 ; 21.95,105.06 JP_LED1.3 ; 22.21,104.29 21.45,104.29 ; 22.21,104.29 22.46,104.29 22.47,104.29 ; 21.95,104.8 21.45,104.29 ; 21.45,104.29 20.46,104.29 15.61,99.44 v1(14.97,99.44) ; 22.47,104.29 22.53,104.35 172.17,104.35 172.83,105.01 252.61,105.01 254.76,107.16 276.92,107.16 279.64,109.88 281.67,109.88 282.1,110.31 JP_LED2.2
Net-(JP_LED2-Pad1): length 15
  Top w0.254: v1(286.37,106.66) 286.49,106.66 LED3.3
  Bottom w0.254: v1(286.37,106.66) 285.99,107.04 285.99,110.9 283.96,112.93 281.21,112.93 280.8,112.52 JP_LED2.1
Net-(LED1-Pad1): length 5
  Top w0.254: v1(11.42,100.64) 10.91,100.14 LED2.3 ; LED1.1 12.45,102.59 v1(12.03,102.17)
  Bottom w0.254: v1(11.42,100.64) 12.03,101.26 v1(12.03,102.17)
Net-(LED3-Pad1): length 5.6
  Top w0.254: v1(290.31,100.23) 290.22,100.14 LED4.3 ; v1(290.56,102.26) 290.89,102.59 LED3.1
  Bottom w0.254: v1(290.31,100.23) 290.31,102.01 v1(290.56,102.26)
Net-(R6-Pad2): length 10.5
  Bottom w0.254: R6.2 59.68,125.6 59.68,126.31 57.66,128.32 52.52,128.32 U1.33

## Copper pours and planes (outline as drawn; the poured copper is in the pictures)
GND on Top, Bottom: 294.12,48.41 8.37,48.41 8.37,143.66 294.12,143.66
Mid_GND on Top, Bottom: 294.12,146.04 8.37,146.04 8.37,222.24 294.12,222.24
Top_GND on Top, Bottom: 294.12,7.93 8.37,7.93 8.37,46.03 294.12,46.03

## Text on the board
B.Silkscreen: INSTALL / HERE | JLCJLCJLCJLC | #Sandy_kbd v.0.1, Mid / by @jpskenn | #Sandy_kbd v.0.1, Top / by @jpskenn | #Sandy_kbd v.0.1, Base / Fairness, Justice, Rightness / by @jpskenn
User.Eco1: KEEP AWAY / from / CUT LINE | LED | ResetSW
User.Eco2: to Base | to Mid | to Top
